# KiCad board AFP_K5172.kicad_pcb
title: AFP-K5171; date: 2025-03-30; rev: 1; company: Robotron; note: Revision 1, 30.03.2025, Stefan Berndt
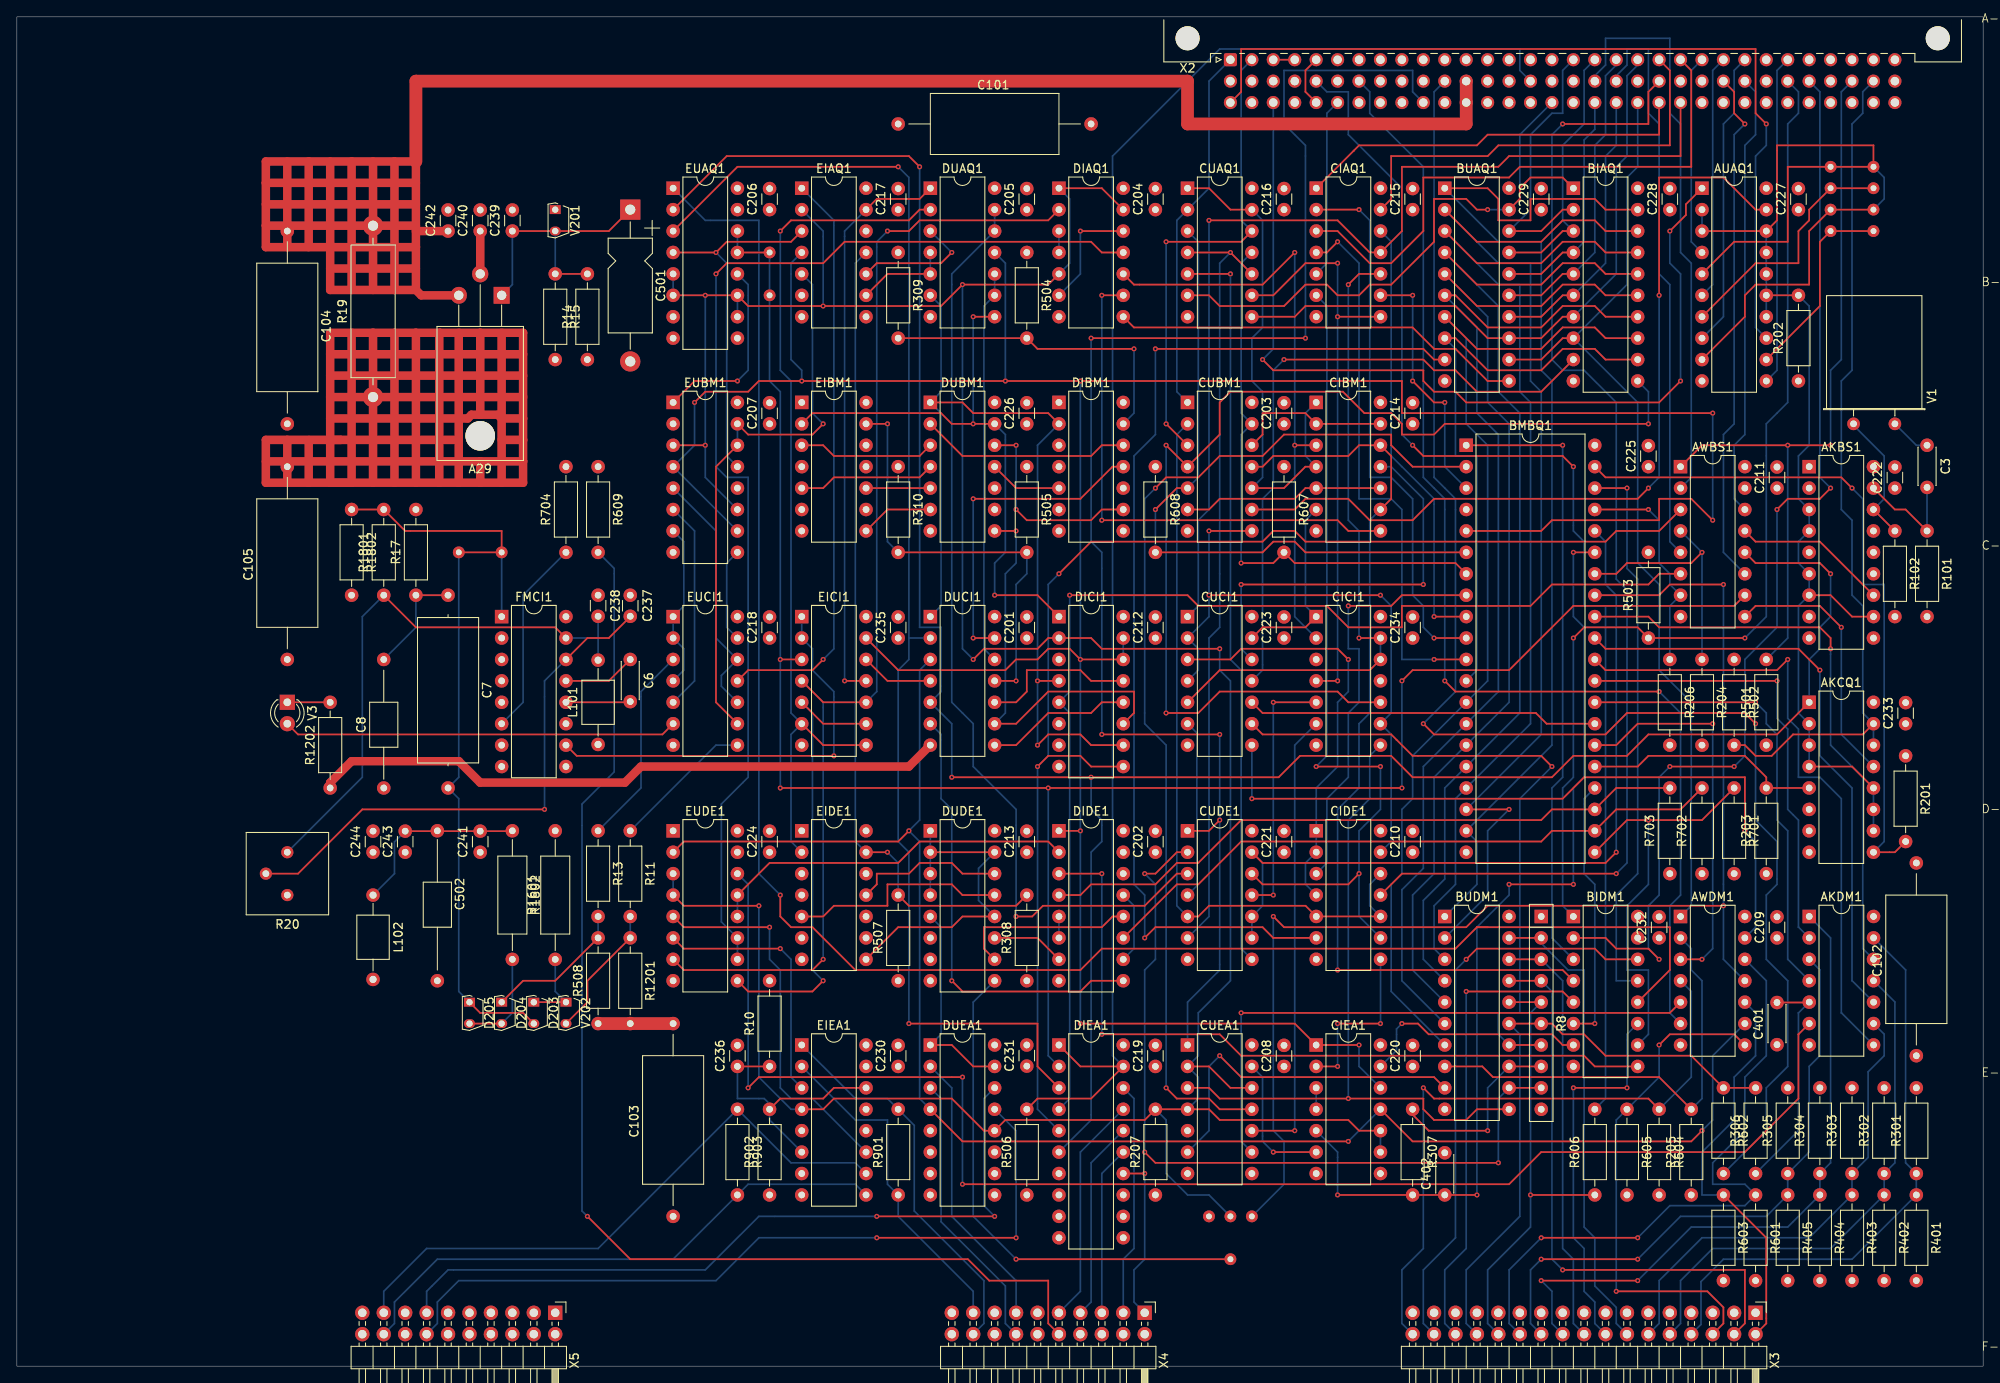
[diagram p0: board, top side]
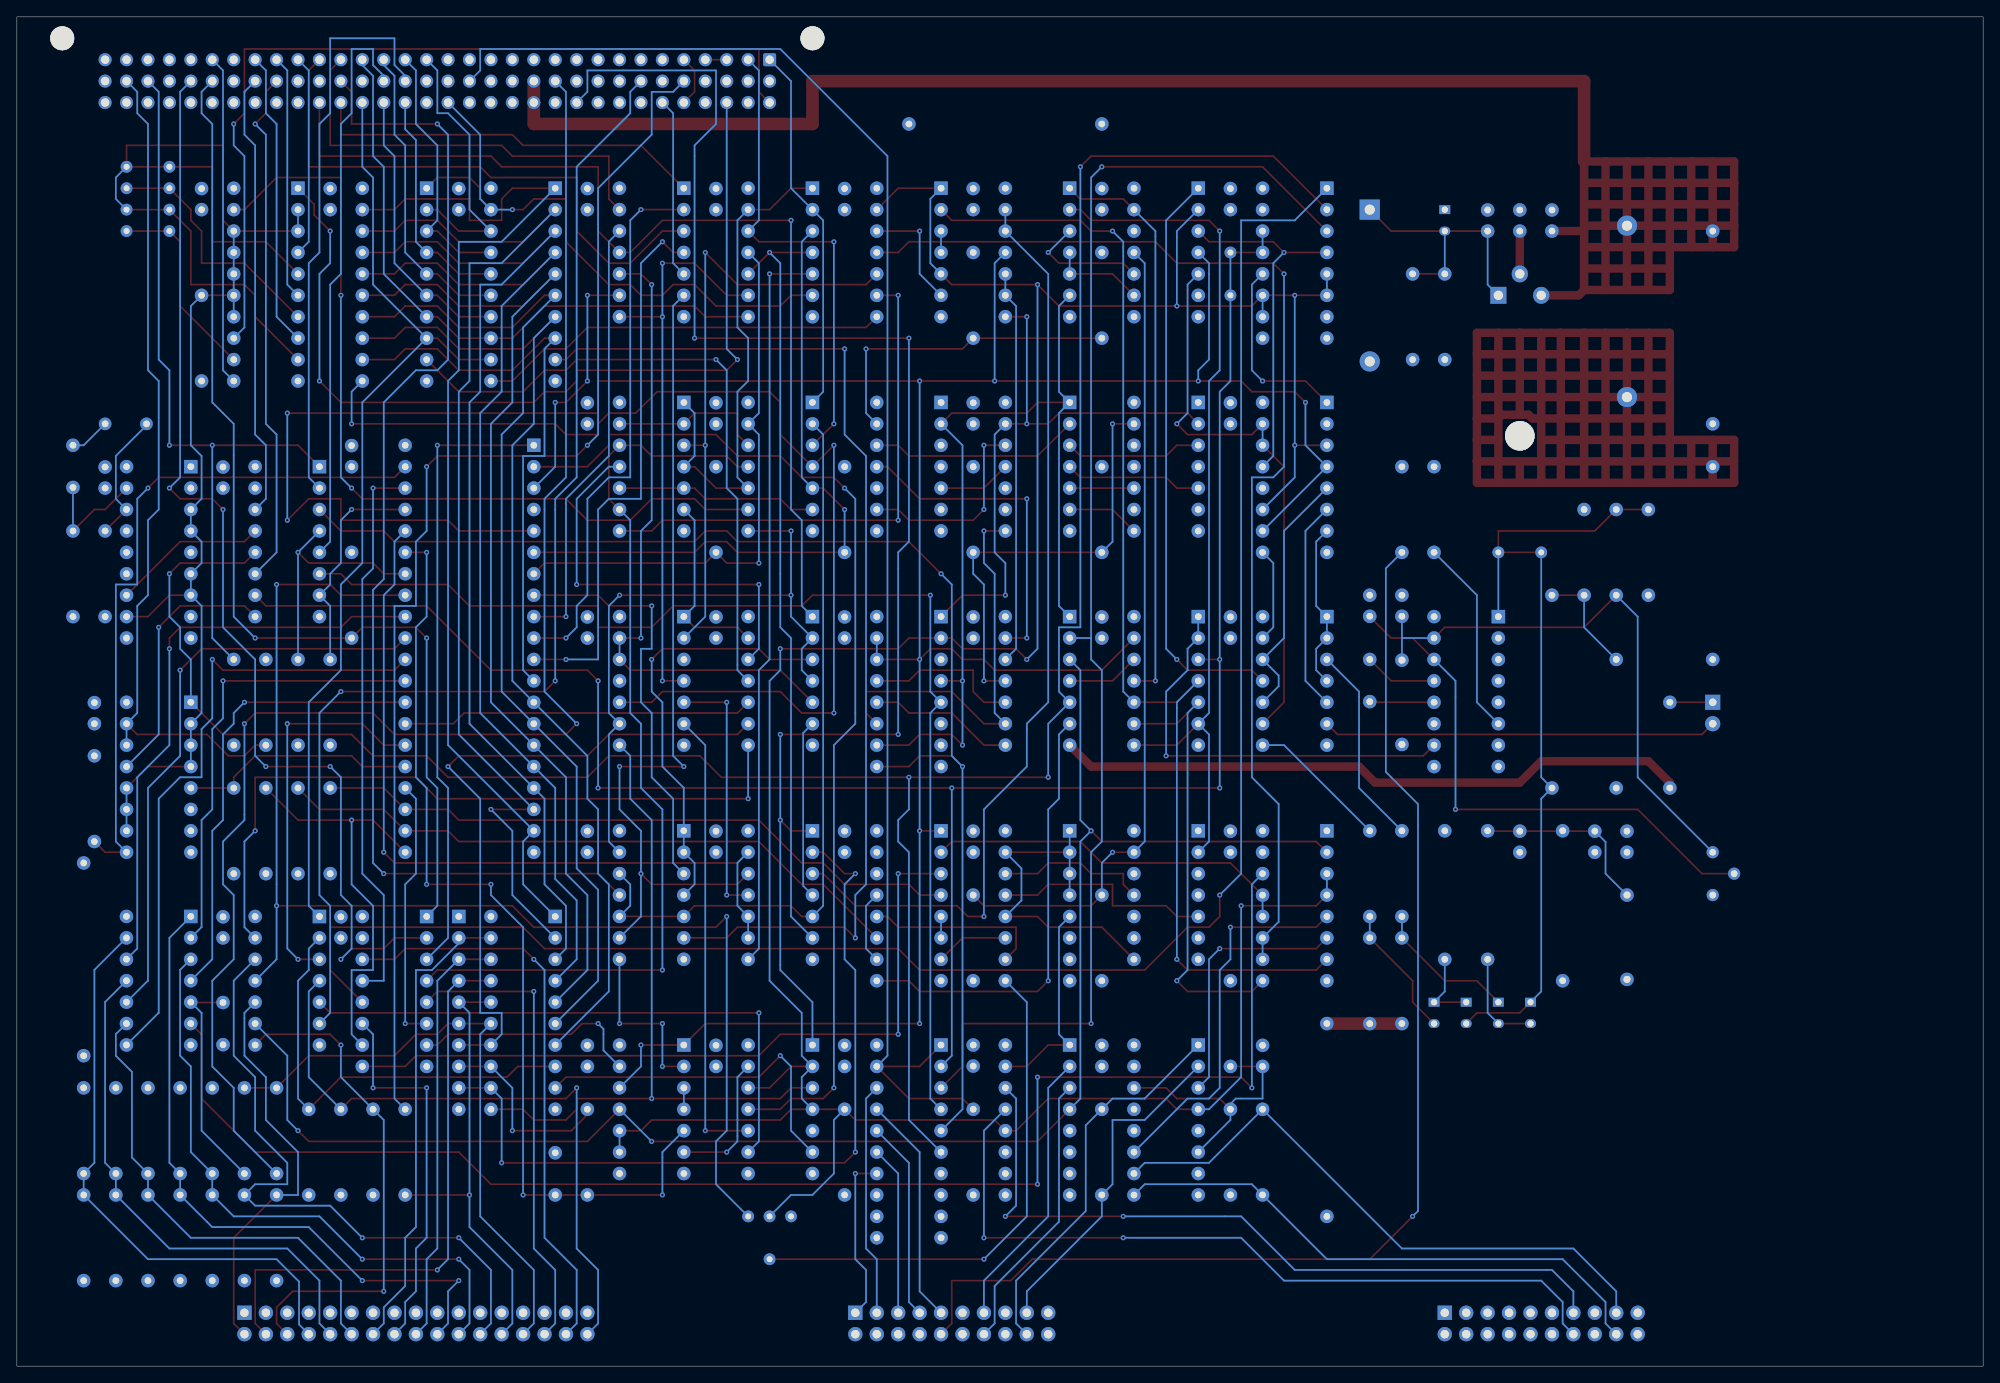
[diagram p1: board, bottom side, seen from below]

Outline 233 x 160 mm; copper layers: Top, In1.Cu, In2.Cu, Bottom. Coordinates in mm from the lower left corner of the outline.
Outline path: rectangle 0,160 233,0
Stack: Top 0.035mm / dielectric 0.1mm FR4 er 4.5 / In1.Cu 0.035mm / dielectric 1.24mm FR4 er 4.5 / In2.Cu 0.035mm / dielectric 0.1mm FR4 er 4.5 / Bottom 0.035mm

## Placement (name value [footprint] x y rotation side)
A29  LM317  [TO-220-3_Horizontal_TabDown]  57.44 126.98 180 top
AKAO1  ~  [Pin_D1.0mm_L10.0mm]  220.01 142.22 0 top
AKAQ1  ~  [Pin_D1.0mm_L10.0mm]  220.01 139.68 0 top
AKAS1  ~  [Pin_D1.0mm_L10.0mm]  220.01 137.14 0 top
AKAU1  ~  [Pin_D1.0mm_L10.0mm]  220.01 134.6 0 top
AKBS1  ~  [DIP-18_W7.62mm]  212.39 106.66 0 top
AKCQ1  74112  [DIP-16_W7.62mm]  212.39 78.72 0 top
AKDM1  7414  [DIP-14_W7.62mm]  212.4 53.32 0 top
AOAO1  ~  [Pin_D1.0mm_L10.0mm]  214.92 142.22 0 top
AOAQ1  ~  [Pin_D1.0mm_L10.0mm]  214.92 139.68 0 top
AOAS1  ~  [Pin_D1.0mm_L10.0mm]  214.92 137.14 0 top
AOAU1  ~  [Pin_D1.0mm_L10.0mm]  214.92 134.6 0 top
AUAQ1  ~  [DIP-20_W7.62mm]  199.69 139.68 0 top
AWBS1  ~  [DIP-16_W7.62mm]  197.15 106.66 0 top
AWDM1  7406  [DIP-14_W7.62mm]  197.15 53.32 0 top
BIAQ1  ~  [DIP-20_W7.62mm]  184.44 139.68 0 top
BIDM1  ~  [DIP-16_W7.62mm]  184.44 53.32 0 top
BMBQ1  ~  [DIP-40_W15.24mm]  171.75 109.2 0 top
BUAQ1  ~  [DIP-20_W7.62mm]  169.21 139.68 0 top
BUDM1  ~  [DIP-20_W7.62mm]  169.21 53.32 0 top
C3  C  [C_Disc_D4.3mm_W1.9mm_P5.00mm]  226.35 109.2 270 top
C6  33pF  [C_Disc_D4.3mm_W1.9mm_P5.00mm]  72.69 83.8 270 top
C7  33nF  [C_Axial_L17.0mm_D7.0mm_P22.86mm_Horizontal]  51.09 90.15 270 top
C8  2,2nF  [C_Axial_L5.1mm_D3.1mm_P15.00mm_Horizontal]  43.47 68.56 90 top
C101  100µF 16V  [C_Axial_L17.0mm_D7.0mm_P22.86mm_Horizontal]  105.71 147.3 0 top
C102  100µF 16V  [C_Axial_L17.0mm_D7.0mm_P22.86mm_Horizontal]  225.09 38.08 90 top
C103  100µF 16V  [C_Axial_L17.0mm_D7.0mm_P22.86mm_Horizontal]  77.77 19.03 90 top
C104  100µF 16V  [C_Axial_L17.0mm_D7.0mm_P22.86mm_Horizontal]  32.05 133.33 270 top
C105  100µF 16V  [C_Axial_L17.0mm_D7.0mm_P22.86mm_Horizontal]  32.05 85.07 90 top
C201  C  [C_Disc_D3.0mm_W1.6mm_P2.50mm]  119.68 86.34 90 top
C202  C  [C_Disc_D3.0mm_W1.6mm_P2.50mm]  134.91 60.94 90 top
C203  C  [C_Disc_D3.0mm_W1.6mm_P2.50mm]  150.16 111.74 90 top
C204  C  [C_Disc_D3.0mm_W1.6mm_P2.50mm]  134.91 137.14 90 top
C205  C  [C_Disc_D3.0mm_W1.6mm_P2.50mm]  119.68 137.14 90 top
C206  C  [C_Disc_D3.0mm_W1.6mm_P2.50mm]  89.19 137.14 90 top
C207  C  [C_Disc_D3.0mm_W1.6mm_P2.50mm]  89.19 111.74 90 top
C208  C  [C_Disc_D3.0mm_W1.6mm_P2.50mm]  150.16 35.54 90 top
C209  C  [C_Disc_D3.0mm_W1.6mm_P2.50mm]  208.57 50.78 90 top
C210  C  [C_Disc_D3.0mm_W1.6mm_P2.50mm]  165.4 60.94 90 top
C211  C  [C_Disc_D3.0mm_W1.6mm_P2.50mm]  208.57 104.12 90 top
C212  C  [C_Disc_D3.0mm_W1.6mm_P2.50mm]  134.91 86.34 90 top
C213  C  [C_Disc_D3.0mm_W1.6mm_P2.50mm]  119.68 60.94 90 top
C214  C  [C_Disc_D3.0mm_W1.6mm_P2.50mm]  165.4 111.74 90 top
C215  C  [C_Disc_D3.0mm_W1.6mm_P2.50mm]  165.4 137.14 90 top
C216  C  [C_Disc_D3.0mm_W1.6mm_P2.50mm]  150.16 137.14 90 top
C217  C  [C_Disc_D3.0mm_W1.6mm_P2.50mm]  104.44 137.14 90 top
C218  C  [C_Disc_D3.0mm_W1.6mm_P2.50mm]  89.19 86.34 90 top
C219  C  [C_Disc_D3.0mm_W1.6mm_P2.50mm]  134.91 35.54 90 top
C220  C  [C_Disc_D3.0mm_W1.6mm_P2.50mm]  165.4 35.54 90 top
C221  C  [C_Disc_D3.0mm_W1.6mm_P2.50mm]  150.16 60.94 90 top
C222  C  [C_Disc_D3.0mm_W1.6mm_P2.50mm]  222.54 104.12 90 top
C223  C  [C_Disc_D3.0mm_W1.6mm_P2.50mm]  150.16 86.34 90 top
C224  C  [C_Disc_D3.0mm_W1.6mm_P2.50mm]  89.19 60.94 90 top
C225  C  [C_Disc_D3.0mm_W1.6mm_P2.50mm]  193.34 106.66 90 top
C226  C  [C_Disc_D3.0mm_W1.6mm_P2.50mm]  119.68 111.74 90 top
C227  C  [C_Disc_D3.0mm_W1.6mm_P2.50mm]  211.12 137.14 90 top
C228  C  [C_Disc_D3.0mm_W1.6mm_P2.50mm]  195.88 137.14 90 top
C229  C  [C_Disc_D3.0mm_W1.6mm_P2.50mm]  180.63 137.14 90 top
C230  C  [C_Disc_D3.0mm_W1.6mm_P2.50mm]  104.44 35.54 90 top
C231  C  [C_Disc_D3.0mm_W1.6mm_P2.50mm]  119.68 35.58 90 top
C232  C  [C_Disc_D3.0mm_W1.6mm_P2.50mm]  194.6 50.78 90 top
C233  C  [C_Disc_D3.0mm_W1.6mm_P2.50mm]  223.82 76.18 90 top
C234  C  [C_Disc_D3.0mm_W1.6mm_P2.50mm]  165.4 86.34 90 top
C235  C  [C_Disc_D3.0mm_W1.6mm_P2.50mm]  104.44 86.34 90 top
C236  C  [C_Disc_D3.0mm_W1.6mm_P2.50mm]  85.38 35.54 90 top
C237  C  [C_Disc_D3.0mm_W1.6mm_P2.50mm]  72.69 91.42 270 top
C238  C  [C_Disc_D3.0mm_W1.6mm_P2.50mm]  68.88 91.42 270 top
C239  C  [C_Disc_D3.0mm_W1.6mm_P2.50mm]  58.72 134.6 90 top
C240  C  [C_Disc_D3.0mm_W1.6mm_P2.50mm]  54.91 134.6 90 top
C241  C  [C_Disc_D3.0mm_W1.6mm_P2.50mm]  54.91 60.94 90 top
C242  C  [C_Disc_D3.0mm_W1.6mm_P2.50mm]  51.09 134.6 90 top
C243  C  [C_Disc_D3.0mm_W1.6mm_P2.50mm]  46.02 60.94 90 top
C244  C  [C_Disc_D3.0mm_W1.6mm_P2.50mm]  42.2 60.94 90 top
C401  C  [C_Disc_D4.3mm_W1.9mm_P5.00mm]  208.57 38.12 90 top
C402  C  [C_Disc_D4.3mm_W1.9mm_P5.00mm]  169.21 20.3 90 top
C501  10µF 10V  [CP_Axial_L11.0mm_D5.0mm_P18.00mm_Horizontal]  72.69 137.14 270 top
C502  10µF 10V  [C_Axial_L5.1mm_D3.1mm_P17.78mm_Horizontal]  49.83 63.48 270 top
CIAQ1  7414  [DIP-14_W7.62mm]  153.97 139.69 0 top
CIBM1  7400  [DIP-14_W7.62mm]  153.97 114.28 0 top
CICI1  7421  [DIP-14_W7.62mm]  153.97 88.88 0 top
CIDE1  7400  [DIP-14_W7.62mm]  153.97 63.48 0 top
CIEA1  7408  [DIP-14_W7.62mm]  153.97 38.08 0 top
CUAQ1  74125  [DIP-14_W7.62mm]  138.72 139.68 0 top
CUBM1  7414  [DIP-14_W7.62mm]  138.72 114.28 0 top
CUCI1  7408  [DIP-14_W7.62mm]  138.72 88.88 0 top
CUDE1  7400  [DIP-14_W7.62mm]  138.72 63.48 0 top
CUEA1  7474  [DIP-14_W7.62mm]  138.72 38.08 0 top
D203  D  [TO-92S-2]  61.25 43.16 270 top
D204  D  [TO-92S-2]  57.44 43.16 270 top
D205  D  [TO-92S-2]  53.64 43.16 270 top
DIAQ1  7400  [DIP-14_W7.62mm]  123.48 139.68 0 top
DIBM1  ~  [DIP-14_W7.62mm]  123.48 114.28 0 top
DICI1  74112  [DIP-16_W7.62mm]  123.48 88.88 0 top
DIDE1  ~  [DIP-16_W7.62mm]  123.48 63.48 0 top
DIEA1  ~  [DIP-20_W7.62mm]  123.48 38.08 0 top
DUAQ1  7437  [DIP-14_W7.62mm]  108.25 139.68 0 top
DUBM1  7430  [DIP-14_W7.62mm]  108.25 114.28 0 top
DUCI1  7404  [DIP-14_W7.62mm]  108.25 88.88 0 top
DUDE1  ~  [DIP-16_W7.62mm]  108.25 63.48 0 top
DUEA1  ~  [DIP-16_W7.62mm]  108.25 38.08 0 top
EIAQ1  7474  [DIP-14_W7.62mm]  93 139.68 0 top
EIBM1  ~  [DIP-14_W7.62mm]  93 114.28 0 top
EICI1  7408  [DIP-14_W7.62mm]  93 88.88 0 top
EIDE1  ~  [DIP-14_W7.62mm]  93 63.48 0 top
EIEA1  ~  [DIP-16_W7.62mm]  93 38.08 0 top
ERAW1  ~  [Pin_D1.0mm_L10.0mm]  89.19 132.06 0 top
ERBC1  ~  [Pin_D1.0mm_L10.0mm]  89.19 126.98 0 top
EUAQ1  ~  [DIP-16_W7.62mm]  77.77 139.68 0 top
EUBM1  74112  [DIP-16_W7.62mm]  77.77 114.28 0 top
EUCI1  7437  [DIP-14_W7.62mm]  77.77 88.88 0 top
EUDE1  ~  [DIP-16_W7.62mm]  77.77 63.48 0 top
FMCI1  74124  [DIP-16_W7.62mm]  57.44 88.88 0 top
FSCC1  ~  [Pin_D1.0mm_L10.0mm]  57.44 96.5 0 top
FWCC1  ~  [Pin_D1.0mm_L10.0mm]  52.36 96.5 0 top
L101  L  [L_Axial_L5.0mm_D3.6mm_P10.00mm_Horizontal_Murata_BL01RN1A2A2]  68.88 73.72 90 top
L102  L  [L_Axial_L5.0mm_D3.6mm_P10.00mm_Horizontal_Murata_BL01RN1A2A2]  42.2 55.86 270 top
R8  R_Network09_Split  [R_Array_SIP10]  180.63 53.32 270 top
R10  R  [R_Axial_DIN0207_L6.3mm_D2.5mm_P10.16mm_Horizontal]  89.19 35.54 90 top
R11  R  [R_Axial_DIN0207_L6.3mm_D2.5mm_P10.16mm_Horizontal]  72.69 63.48 270 top
R13  R  [R_Axial_DIN0207_L6.3mm_D2.5mm_P10.16mm_Horizontal]  68.88 63.48 270 top
R14  R  [R_Axial_DIN0207_L6.3mm_D2.5mm_P10.16mm_Horizontal]  67.61 119.36 90 top
R15  R  [R_Axial_DIN0207_L6.3mm_D2.5mm_P10.16mm_Horizontal]  63.8 129.52 270 top
R17  R  [R_Axial_DIN0207_L6.3mm_D2.5mm_P10.16mm_Horizontal]  47.28 91.42 90 top
R19  R  [R_Axial_DIN0516_L15.5mm_D5.0mm_P20.32mm_Horizontal]  42.2 114.91 90 top
R20  R_Potentiometer_Trim  [Potentiometer_Bourns_3386P_Vertical]  32.05 60.94 180 top
R101  R  [R_Axial_DIN0207_L6.3mm_D2.5mm_P10.16mm_Horizontal]  226.35 99.04 270 top
R102  R  [R_Axial_DIN0207_L6.3mm_D2.5mm_P10.16mm_Horizontal]  222.54 99.04 270 top
R201  R  [R_Axial_DIN0207_L6.3mm_D2.5mm_P10.16mm_Horizontal]  223.82 72.37 270 top
R202  R  [R_Axial_DIN0207_L6.3mm_D2.5mm_P10.16mm_Horizontal]  211.12 116.82 90 top
R203  R  [R_Axial_DIN0207_L6.3mm_D2.5mm_P10.16mm_Horizontal]  207.31 58.4 90 top
R204  R  [R_Axial_DIN0207_L6.3mm_D2.5mm_P10.16mm_Horizontal]  199.69 83.8 270 top
R205  R  [R_Axial_DIN0207_L6.3mm_D2.5mm_P10.16mm_Horizontal]  198.41 20.3 90 top
R206  R  [R_Axial_DIN0207_L6.3mm_D2.5mm_P10.16mm_Horizontal]  195.88 83.8 270 top
R207  R  [R_Axial_DIN0207_L6.3mm_D2.5mm_P10.16mm_Horizontal]  134.91 20.3 90 top
R301  R  [R_Axial_DIN0207_L6.3mm_D2.5mm_P10.16mm_Horizontal]  225.09 22.84 90 top
R302  R  [R_Axial_DIN0207_L6.3mm_D2.5mm_P10.16mm_Horizontal]  221.28 22.84 90 top
R303  R  [R_Axial_DIN0207_L6.3mm_D2.5mm_P10.16mm_Horizontal]  217.47 22.84 90 top
R304  R  [R_Axial_DIN0207_L6.3mm_D2.5mm_P10.16mm_Horizontal]  213.66 22.84 90 top
R305  R  [R_Axial_DIN0207_L6.3mm_D2.5mm_P10.16mm_Horizontal]  209.84 22.84 90 top
R306  R  [R_Axial_DIN0207_L6.3mm_D2.5mm_P10.16mm_Horizontal]  206.03 22.84 90 top
R307  R  [R_Axial_DIN0207_L6.3mm_D2.5mm_P10.16mm_Horizontal]  165.4 30.46 270 top
R308  R  [R_Axial_DIN0207_L6.3mm_D2.5mm_P10.16mm_Horizontal]  119.68 45.7 90 top
R309  R  [R_Axial_DIN0207_L6.3mm_D2.5mm_P10.16mm_Horizontal]  104.44 132.06 270 top
R310  R  [R_Axial_DIN0207_L6.3mm_D2.5mm_P10.16mm_Horizontal]  104.44 106.66 270 top
R401  R  [R_Axial_DIN0207_L6.3mm_D2.5mm_P10.16mm_Horizontal]  225.09 20.3 270 top
R402  R  [R_Axial_DIN0207_L6.3mm_D2.5mm_P10.16mm_Horizontal]  221.28 20.3 270 top
R403  R  [R_Axial_DIN0207_L6.3mm_D2.5mm_P10.16mm_Horizontal]  217.47 20.3 270 top
R404  R  [R_Axial_DIN0207_L6.3mm_D2.5mm_P10.16mm_Horizontal]  213.66 20.3 270 top
R405  R  [R_Axial_DIN0207_L6.3mm_D2.5mm_P10.16mm_Horizontal]  209.84 20.3 270 top
R501  R  [R_Axial_DIN0207_L6.3mm_D2.5mm_P10.16mm_Horizontal]  207.31 73.64 90 top
R502  R  [R_Axial_DIN0207_L6.3mm_D2.5mm_P10.16mm_Horizontal]  203.5 83.8 270 top
R503  R  [R_Axial_DIN0207_L6.3mm_D2.5mm_P10.16mm_Horizontal]  193.34 86.34 90 top
R504  R  [R_Axial_DIN0207_L6.3mm_D2.5mm_P10.16mm_Horizontal]  119.68 132.06 270 top
R505  R  [R_Axial_DIN0207_L6.3mm_D2.5mm_P10.16mm_Horizontal]  119.68 106.66 270 top
R506  R  [R_Axial_DIN0207_L6.3mm_D2.5mm_P10.16mm_Horizontal]  119.68 20.3 90 top
R507  R  [R_Axial_DIN0207_L6.3mm_D2.5mm_P10.16mm_Horizontal]  104.44 45.7 90 top
R508  R  [R_Axial_DIN0207_L6.3mm_D2.5mm_P10.16mm_Horizontal]  68.88 40.62 90 top
R601  R  [R_Axial_DIN0207_L6.3mm_D2.5mm_P10.16mm_Horizontal]  206.03 20.3 270 top
R602  R  [R_Axial_DIN0207_L6.3mm_D2.5mm_P10.16mm_Horizontal]  202.22 33 270 top
R603  R  [R_Axial_DIN0207_L6.3mm_D2.5mm_P10.16mm_Horizontal]  202.22 20.3 270 top
R604  R  [R_Axial_DIN0207_L6.3mm_D2.5mm_P10.16mm_Horizontal]  194.6 30.46 270 top
R605  R  [R_Axial_DIN0207_L6.3mm_D2.5mm_P10.16mm_Horizontal]  190.79 30.46 270 top
R606  R  [R_Axial_DIN0207_L6.3mm_D2.5mm_P10.16mm_Horizontal]  186.98 20.3 90 top
R607  R  [R_Axial_DIN0207_L6.3mm_D2.5mm_P10.16mm_Horizontal]  150.16 106.66 270 top
R608  R  [R_Axial_DIN0207_L6.3mm_D2.5mm_P10.16mm_Horizontal]  134.91 106.66 270 top
R609  R  [R_Axial_DIN0207_L6.3mm_D2.5mm_P10.16mm_Horizontal]  68.88 106.66 270 top
R701  R  [R_Axial_DIN0207_L6.3mm_D2.5mm_P10.16mm_Horizontal]  203.5 68.56 270 top
R702  R  [R_Axial_DIN0207_L6.3mm_D2.5mm_P10.16mm_Horizontal]  199.69 58.4 90 top
R703  R  [R_Axial_DIN0207_L6.3mm_D2.5mm_P10.16mm_Horizontal]  195.88 58.4 90 top
R704  R  [R_Axial_DIN0207_L6.3mm_D2.5mm_P10.16mm_Horizontal]  65.06 96.5 90 top
R901  R  [R_Axial_DIN0207_L6.3mm_D2.5mm_P10.16mm_Horizontal]  104.44 20.3 90 top
R902  R  [R_Axial_DIN0207_L6.3mm_D2.5mm_P10.16mm_Horizontal]  89.19 20.3 90 top
R903  R  [R_Axial_DIN0207_L6.3mm_D2.5mm_P10.16mm_Horizontal]  85.38 30.46 270 top
R1201  R  [R_Axial_DIN0207_L6.3mm_D2.5mm_P10.16mm_Horizontal]  72.69 50.78 270 top
R1202  R  [R_Axial_DIN0207_L6.3mm_D2.5mm_P10.16mm_Horizontal]  37.12 68.56 90 top
R1601  R  [R_Axial_DIN0309_L9.0mm_D3.2mm_P15.24mm_Horizontal]  63.8 48.24 90 top
R1602  R  [R_Axial_DIN0309_L9.0mm_D3.2mm_P15.24mm_Horizontal]  58.72 63.48 270 top
R1801  R  [R_Axial_DIN0207_L6.3mm_D2.5mm_P10.16mm_Horizontal]  43.47 91.42 90 top
R1802  R  [R_Axial_DIN0207_L6.3mm_D2.5mm_P10.16mm_Horizontal]  39.66 101.58 270 top
V1  Crystal  [Crystal_HC49-U_Horizontal]  222.54 111.74 180 top
V3  LED  [LED_D3.0mm]  32.05 78.72 270 top
V201  D  [TO-92S-2]  63.8 137.14 270 top
V202  D  [TO-92S-2]  65.06 43.16 270 top
X2  DIN41612_03x32_ABC  [DIN41612_C_3x32_Male_Horizontal_THT]  143.81 154.92 0 top
X3  Conn_02x17_Odd_Even  [PinHeader_2x17_P2.54mm_Horizontal]  206.03 6.33 270 top
X4  Conn_02x10_Odd_Even  [PinHeader_2x10_P2.54mm_Horizontal]  133.65 6.33 270 top
X5  Conn_02x10_Odd_Even  [PinHeader_2x10_P2.54mm_Horizontal]  63.8 6.33 270 top
X7.1  ~  [Pin_D1.0mm_L10.0mm]  146.34 17.76 0 top
X7.2  ~  [Pin_D1.0mm_L10.0mm]  143.81 17.76 0 top
X7.3  ~  [Pin_D1.0mm_L10.0mm]  143.81 12.68 0 top
X7.4  ~  [Pin_D1.0mm_L10.0mm]  141.26 17.76 0 top

## Library data of the parts
A29 = -: Datasheet: http://www.ti.com/lit/ds/symlink/lm317.pdf; Description: 1.5A 35V Adjustable Linear Regulator, TO-220; ki_fp_filters: TO?220*
AKAO1 AKAQ1 AKAS1 AKAU1 AOAO1 AOAQ1 AOAS1 AOAU1 ERAW1 ERBC1 FSCC1 FWCC1 X7.1-X7.4 = -: Description: Generic connector, single row, 01x01, script generated (kicad-library-utils/schlib/autogen/connector/); ki_fp_filters: Connector*:*_1x??_*
C3 C6-C8 C201-C244 C401 C402 = -: Description: Unpolarized capacitor; ki_fp_filters: C_*
C101-C105 C501 C502 = -: Description: Polarized capacitor; ki_fp_filters: CP_*
D203-D205 V201 V202 = -: Description: Diode; Sim.Pins: 1=K 2=A; ki_fp_filters: TO-???* *_Diode_* *SingleDiode* D_*
L101 L102 = -: Description: Inductor; ki_fp_filters: Choke_* *Coil* Inductor_* L_*
R8 = -: Datasheet: http://www.vishay.com/docs/31509/csc.pdf; Description: 9 resistor network, star topology, bussed resistors, split; ki_fp_filters: R?Array?SIP*
R10 R11 R13-R15 R17 R19 R101 R102 R201-R207 R301-R310 R401-R405 R501-R508 R601-R609 R701-R704 R901-R903 R1201 R1202 R1601 R1602 R1801 R1802 = -: Description: Resistor; ki_fp_filters: R_*
R20 = -: Description: Trim-potentiometer; ki_fp_filters: Potentiometer*
V1 = -: Description: Two pin crystal; ki_fp_filters: Crystal*
V3 = -: Description: Light emitting diode; ki_fp_filters: LED* LED_SMD:* LED_THT:*
X2 = -: Description: DIN41612 connector, double row (AB), 02x32, script generated (kicad-library-utils/schlib/autogen/connector/); ki_fp_filters: DIN41612*2x*
X3 = -: Description: Generic connector, double row, 02x17, odd/even pin numbering scheme (row 1 odd numbers, row 2 even numbers), script generated (kicad-library-utils/schlib/autogen/connector/); ki_fp_filters: Connector*:*_2x??_*
X4 X5 = -: Description: Generic connector, double row, 02x10, odd/even pin numbering scheme (row 1 odd numbers, row 2 even numbers), script generated (kicad-library-utils/schlib/autogen/connector/); ki_fp_filters: Connector*:*_2x??_*

## Footprints (pads in the part's own frame, mm; a bottom-side part is the same pattern mirrored in y, then rotated)
C_Axial_L5.1mm_D3.1mm_P15.00mm_Horizontal
  round 1.6 hole 0.8: 1(0,0)
  oval 1.6x1.6 hole 0.8: 2(15.24,0)
C_Axial_L5.1mm_D3.1mm_P17.78mm_Horizontal
  round 1.6 hole 0.8: 1(0,0)
  oval 1.6x1.6 hole 0.8: 2(17.78,0)
C_Axial_L17.0mm_D7.0mm_P22.86mm_Horizontal
  round 1.6 hole 0.8: 1(-1.27,0)
  oval 1.6x1.6 hole 0.8: 2(21.59,0)
C_Disc_D3.0mm_W1.6mm_P2.50mm
  round 1.6 hole 0.8: 1(0,0) 2(2.5,0)
C_Disc_D4.3mm_W1.9mm_P5.00mm
  round 1.6 hole 0.8: 1(0,0) 2(5,0)
CP_Axial_L11.0mm_D5.0mm_P18.00mm_Horizontal
  rect 2.4x2.4 hole 1.2: 1(0,0)
  oval 2.4x2.4 hole 1.2: 2(18,0)
Crystal_HC49-U_Horizontal
  round 1.5 hole 0.8: 1(0,0) 2(4.9,0)
DIN41612_C_3x32_Male_Horizontal_THT
  round 2.85 hole 2.85 unplated: (-5.08,2.54) (83.82,2.54)
  rrect 1.55x1.55 hole 1: a1(0,0)
  round 1.55 hole 1: a2(2.54,0) a3(5.08,0) a4(7.62,0) a5(10.16,0) a6(12.7,0) a7(15.24,0) a8(17.78,0) a9(20.32,0) a10(22.86,0) a11(25.4,0) a12(27.94,0) a13(30.48,0) a14(33.02,0) a15(35.56,0) a16(38.1,0) a17(40.64,0) a18(43.18,0) a19(45.72,0) a20(48.26,0) a21(50.8,0) a22(53.34,0) a23(55.88,0) a24(58.42,0) a25(60.96,0) a26(63.5,0) a27(66.04,0) a28(68.58,0) a29(71.12,0) a30(73.66,0) a31(76.2,0) a32(78.74,0) b1(0,-2.54) b2(2.54,-2.54) b3(5.08,-2.54) b4(7.62,-2.54) b5(10.16,-2.54) b6(12.7,-2.54) b7(15.24,-2.54) b8(17.78,-2.54) b9(20.32,-2.54) b10(22.86,-2.54) b11(25.4,-2.54) b12(27.94,-2.54) b13(30.48,-2.54) b14(33.02,-2.54) b15(35.56,-2.54) b16(38.1,-2.54) b17(40.64,-2.54) b18(43.18,-2.54) b19(45.72,-2.54) b20(48.26,-2.54) b21(50.8,-2.54) b22(53.34,-2.54) b23(55.88,-2.54) b24(58.42,-2.54) b25(60.96,-2.54) b26(63.5,-2.54) b27(66.04,-2.54) b28(68.58,-2.54) b29(71.12,-2.54) b30(73.66,-2.54) b31(76.2,-2.54) b32(78.74,-2.54) c1(0,-5.08) c2(2.54,-5.08) c3(5.08,-5.08) c4(7.62,-5.08) c5(10.16,-5.08) c6(12.7,-5.08) c7(15.24,-5.08) c8(17.78,-5.08) c9(20.32,-5.08) c10(22.86,-5.08) c11(25.4,-5.08) c12(27.94,-5.08) c13(30.48,-5.08) c14(33.02,-5.08) c15(35.56,-5.08) c16(38.1,-5.08) c17(40.64,-5.08) c18(43.18,-5.08) c19(45.72,-5.08) c20(48.26,-5.08) c21(50.8,-5.08) c22(53.34,-5.08) c23(55.88,-5.08) c24(58.42,-5.08) c25(60.96,-5.08) c26(63.5,-5.08) c27(66.04,-5.08) c28(68.58,-5.08) c29(71.12,-5.08) c30(73.66,-5.08) c31(76.2,-5.08) c32(78.74,-5.08)
DIP-14_W7.62mm
  rect 1.6x1.6 hole 0.8: 1(0,0)
  oval 1.6x1.6 hole 0.8: 2(0,-2.54) 3(0,-5.08) 4(0,-7.62) 5(0,-10.16) 6(0,-12.7) 7(0,-15.24) 8(7.62,-15.24) 9(7.62,-12.7) 10(7.62,-10.16) 11(7.62,-7.62) 12(7.62,-5.08) 13(7.62,-2.54) 14(7.62,0)
DIP-16_W7.62mm
  rect 1.6x1.6 hole 0.8: 1(0,0)
  oval 1.6x1.6 hole 0.8: 2(0,-2.54) 3(0,-5.08) 4(0,-7.62) 5(0,-10.16) 6(0,-12.7) 7(0,-15.24) 8(0,-17.78) 9(7.62,-17.78) 10(7.62,-15.24) 11(7.62,-12.7) 12(7.62,-10.16) 13(7.62,-7.62) 14(7.62,-5.08) 15(7.62,-2.54) 16(7.62,0)
DIP-18_W7.62mm
  rect 1.6x1.6 hole 0.8: 1(0,0)
  oval 1.6x1.6 hole 0.8: 2(0,-2.54) 3(0,-5.08) 4(0,-7.62) 5(0,-10.16) 6(0,-12.7) 7(0,-15.24) 8(0,-17.78) 9(0,-20.32) 10(7.62,-20.32) 11(7.62,-17.78) 12(7.62,-15.24) 13(7.62,-12.7) 14(7.62,-10.16) 15(7.62,-7.62) 16(7.62,-5.08) 17(7.62,-2.54) 18(7.62,0)
DIP-20_W7.62mm
  rect 1.6x1.6 hole 0.8: 1(0,0)
  oval 1.6x1.6 hole 0.8: 2(0,-2.54) 3(0,-5.08) 4(0,-7.62) 5(0,-10.16) 6(0,-12.7) 7(0,-15.24) 8(0,-17.78) 9(0,-20.32) 10(0,-22.86) 11(7.62,-22.86) 12(7.62,-20.32) 13(7.62,-17.78) 14(7.62,-15.24) 15(7.62,-12.7) 16(7.62,-10.16) 17(7.62,-7.62) 18(7.62,-5.08) 19(7.62,-2.54) 20(7.62,0)
DIP-40_W15.24mm
  rect 1.6x1.6 hole 0.8: 1(0,0)
  oval 1.6x1.6 hole 0.8: 2(0,-2.54) 3(0,-5.08) 4(0,-7.62) 5(0,-10.16) 6(0,-12.7) 7(0,-15.24) 8(0,-17.78) 9(0,-20.32) 10(0,-22.86) 11(0,-25.4) 12(0,-27.94) 13(0,-30.48) 14(0,-33.02) 15(0,-35.56) 16(0,-38.1) 17(0,-40.64) 18(0,-43.18) 19(0,-45.72) 20(0,-48.26) 21(15.24,-48.26) 22(15.24,-45.72) 23(15.24,-43.18) 24(15.24,-40.64) 25(15.24,-38.1) 26(15.24,-35.56) 27(15.24,-33.02) 28(15.24,-30.48) 29(15.24,-27.94) 30(15.24,-25.4) 31(15.24,-22.86) 32(15.24,-20.32) 33(15.24,-17.78) 34(15.24,-15.24) 35(15.24,-12.7) 36(15.24,-10.16) 37(15.24,-7.62) 38(15.24,-5.08) 39(15.24,-2.54) 40(15.24,0)
L_Axial_L5.0mm_D3.6mm_P10.00mm_Horizontal_Murata_BL01RN1A2A2
  round 1.6 hole 0.85: 1(0,0)
  oval 1.6x1.6 hole 0.85: 2(10,0)
LED_D3.0mm
  rect 1.8x1.8 hole 0.9: 1(0,0)
  round 1.8 hole 0.9: 2(2.54,0)
Pin_D1.0mm_L10.0mm
  round 1.4 hole 0.7: 1(0,0)
PinHeader_2x10_P2.54mm_Horizontal
  rect 1.7x1.7 hole 1: 1(0,0)
  oval 1.7x1.7 hole 1: 2(2.54,0) 3(0,-2.54) 4(2.54,-2.54) 5(0,-5.08) 6(2.54,-5.08) 7(0,-7.62) 8(2.54,-7.62) 9(0,-10.16) 10(2.54,-10.16) 11(0,-12.7) 12(2.54,-12.7) 13(0,-15.24) 14(2.54,-15.24) 15(0,-17.78) 16(2.54,-17.78) 17(0,-20.32) 18(2.54,-20.32) 19(0,-22.86) 20(2.54,-22.86)
PinHeader_2x17_P2.54mm_Horizontal
  rect 1.7x1.7 hole 1: 1(0,0)
  oval 1.7x1.7 hole 1: 2(2.54,0) 3(0,-2.54) 4(2.54,-2.54) 5(0,-5.08) 6(2.54,-5.08) 7(0,-7.62) 8(2.54,-7.62) 9(0,-10.16) 10(2.54,-10.16) 11(0,-12.7) 12(2.54,-12.7) 13(0,-15.24) 14(2.54,-15.24) 15(0,-17.78) 16(2.54,-17.78) 17(0,-20.32) 18(2.54,-20.32) 19(0,-22.86) 20(2.54,-22.86) 21(0,-25.4) 22(2.54,-25.4) 23(0,-27.94) 24(2.54,-27.94) 25(0,-30.48) 26(2.54,-30.48) 27(0,-33.02) 28(2.54,-33.02) 29(0,-35.56) 30(2.54,-35.56) 31(0,-38.1) 32(2.54,-38.1) 33(0,-40.64) 34(2.54,-40.64)
Potentiometer_Bourns_3386P_Vertical
  round 1.44 hole 0.8: 1(0,0) 2(2.54,2.54) 3(0,5.08)
R_Array_SIP10
  rect 1.6x1.6 hole 0.8: 1(0,0)
  oval 1.6x1.6 hole 0.8: 2(2.54,0) 3(5.08,0) 4(7.62,0) 5(10.16,0) 6(12.7,0) 7(15.24,0) 8(17.78,0) 9(20.32,0) 10(22.86,0)
R_Axial_DIN0207_L6.3mm_D2.5mm_P10.16mm_Horizontal
  round 1.6 hole 0.8: 1(0,0)
  oval 1.6x1.6 hole 0.8: 2(10.16,0)
R_Axial_DIN0309_L9.0mm_D3.2mm_P15.24mm_Horizontal
  round 1.6 hole 0.8: 1(0,0)
  oval 1.6x1.6 hole 0.8: 2(15.24,0)
R_Axial_DIN0516_L15.5mm_D5.0mm_P20.32mm_Horizontal